# KiCad board BACKUP_PCB.kicad_pcb (continued)
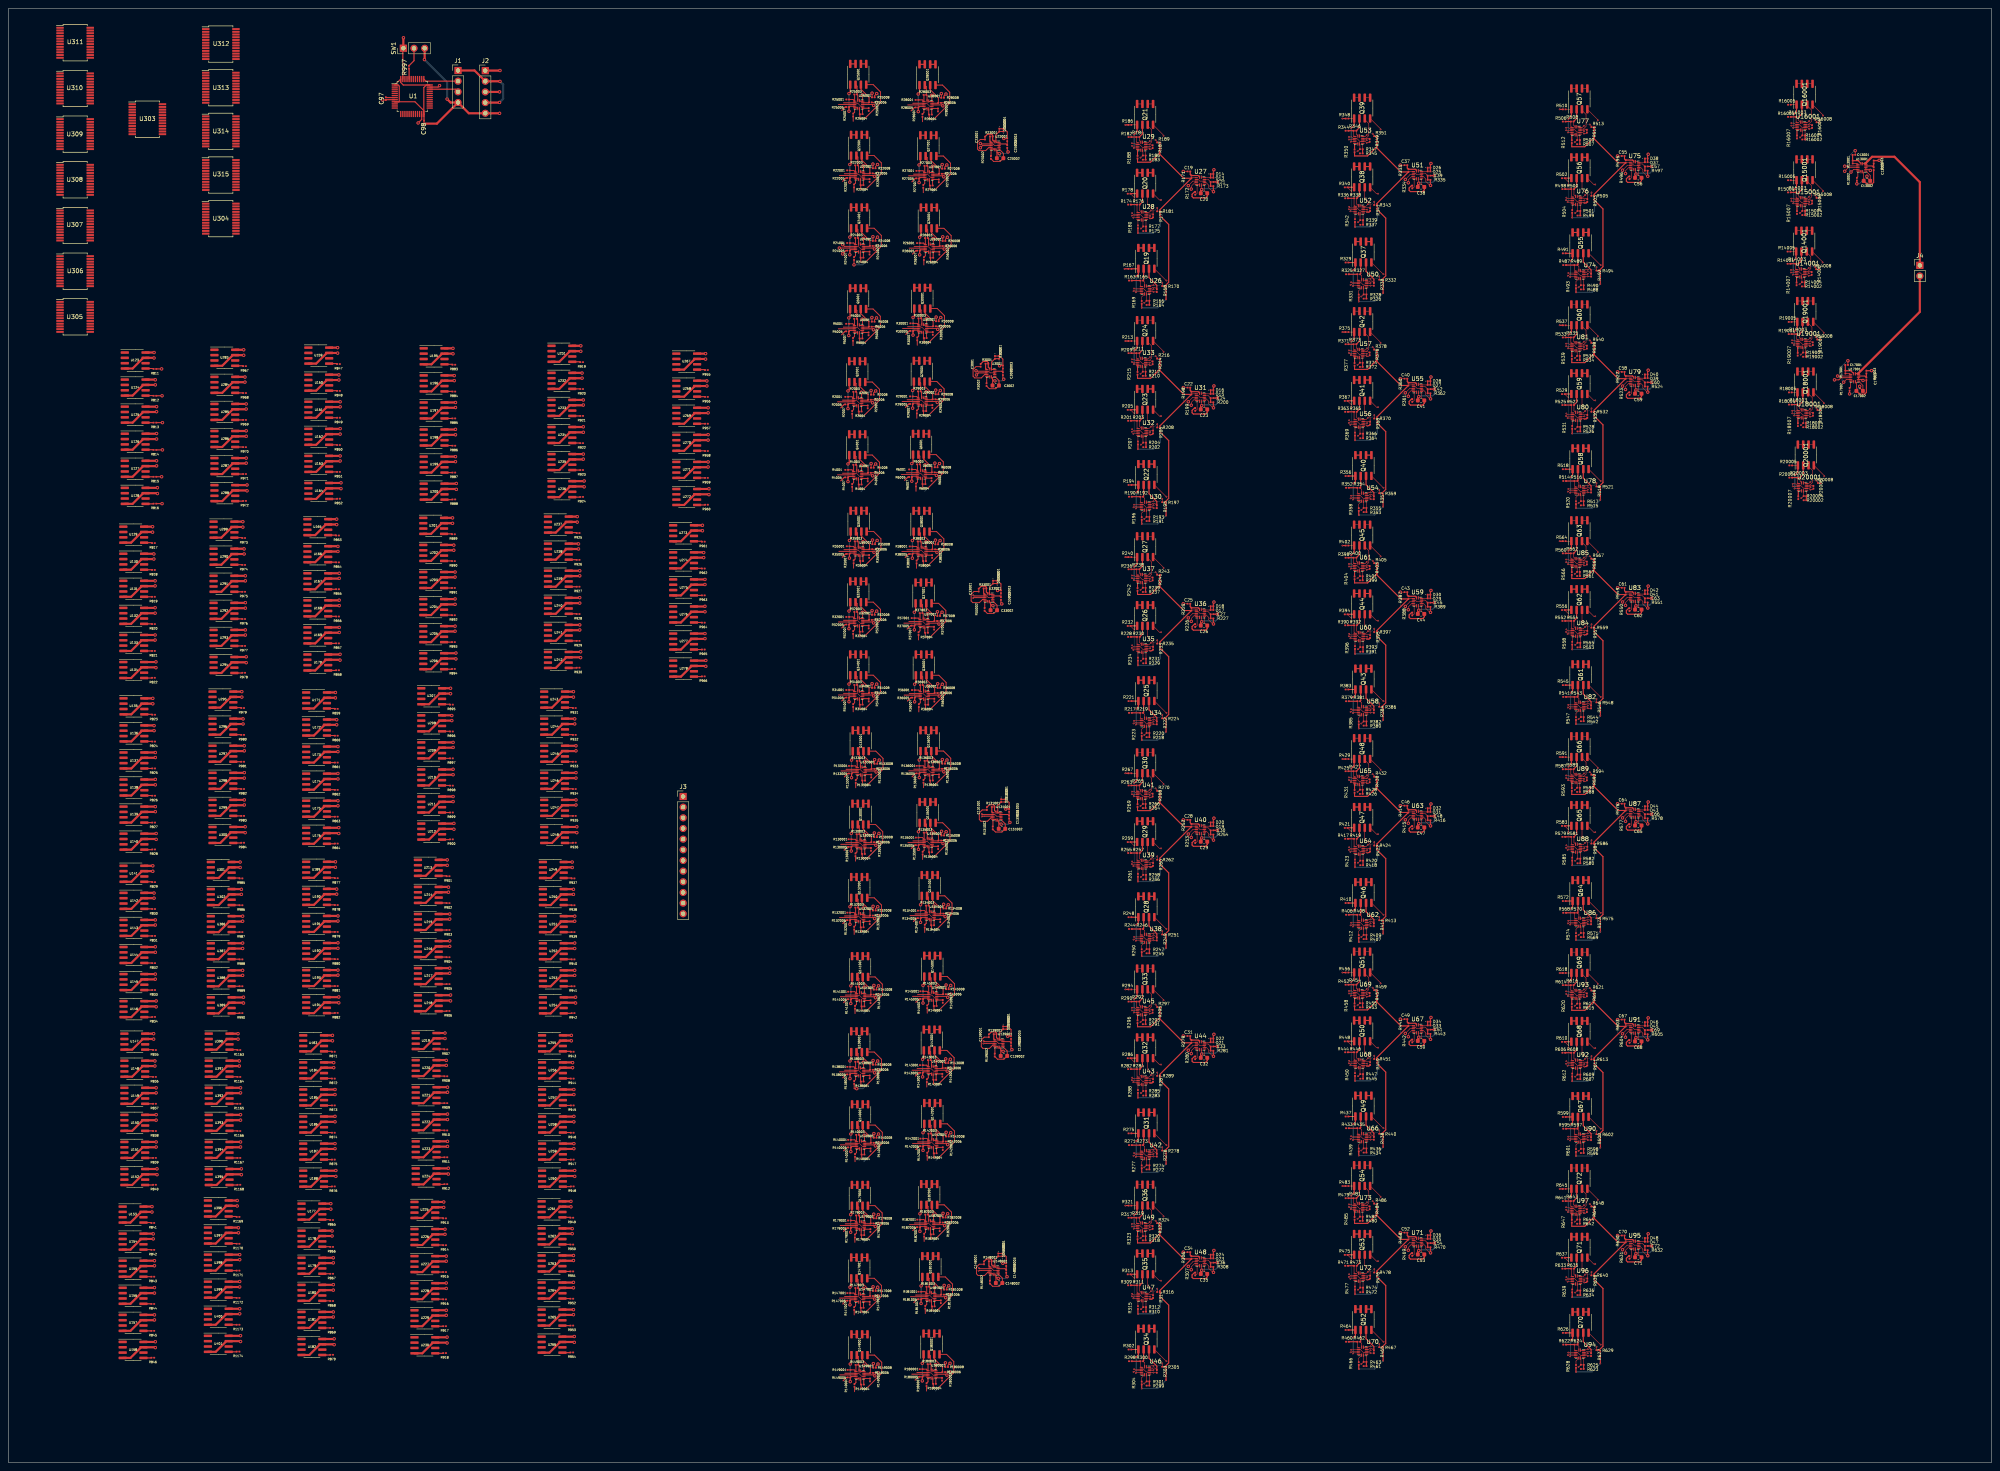
[diagram p0: board, top side]
## Routing (per net, layer and track width the routed paths; a pad name or vN(x,y) marks a point on that pad's centre or on a via; arc(x,y) is an arc through that point) (continued)
Net-(U33A--): length 2.8
  Top w0.1: R211.1 268.74,263.22 U33.1
  Top w0.25: R209.2 R211.1
Net-(U33B--): length 2.3
  Top w0.1: U33.6 269.61,261.35 U33.5
  Top w0.25: R215.1 268.96,261.3 268.98,261.32 269.01,261.32
Net-(U33C--): length 2.4
  Top w0.1: R212.1 270.88,261.32
  Top w0.25: R212.1 R210.2
Net-(U33D--): length 4.2
  Top w0.1: v1(271.86,263.35) 271.46,262.95 U33.12 270.76,263.1 U33.13 ; R216.1 273.64,263.27 v1(273.26,263.65)
  Bottom w0.1: v1(271.86,263.35) 272.16,263.65 v1(273.26,263.65)
Net-(U34A--): length 3.6
  Top w0.1: U34.1 269.64,177.47 R219.1
  Top w0.25: R217.2 R219.1
Net-(U34B--): length 2.8
  Top w0.1: R223.1 269.96,174.75 U34.6 270.51,175.6 U34.5
Net-(U34C--): length 2.7
  Top w0.1: R220.1 271.78,175.57
  Top w0.25: R218.2 R220.1
Net-(U34D--): length 5
  Top w0.1: v1(274.86,178.15) 274.86,177.37 ; v1(272.76,177.55) 272.16,177.55 U34.12 271.21,177.2 U34.13
  Bottom w0.1: v1(272.76,177.55) 274.26,177.55 v1(274.86,178.15)
Net-(U35A--): length 3.5
  Top w0.1: U35.1 268.84,195.12 R230.1
  Top w0.25: R228.2 R230.1
Net-(U35B--): length 2.2
  Top w0.1: U35.5 269.26,193.1 U35.6 ; R234.1 269.06,193.2
Net-(U35C--): length 2.8
  Top w0.1: R231.1 270.98,193.22
  Top w0.25: R229.2 R231.1
Net-(U35D--): length 4.7
  Top w0.1: v1(273.66,195.95) 273.66,195.17 ; U35.13 270.86,195 U35.12 271.66,194.85 v1(272.16,195.35)
  Bottom w0.1: v1(273.66,195.95) 273.06,195.35 v1(272.16,195.35)
Net-(U36B-+): length 8.7
  Top w0.1: v2(281.76,200.45) 281.76,201.14 282.57,201.95 U36.4 ; C25.2 v2(279.86,204.65)
  Bottom w0.1: v2(279.86,204.65) 279.86,201.53 280.94,200.45 v2(281.76,200.45)
Net-(U36B--): length 3.4
  Top w0.1: 282.84,199.13 283.14,199.44 283.14,201.4 U36.5 283.59,201.55 U36.6
Net-(U36C--): length 8.5
  Top w0.1: U36.8 284.89,200.12 C26.1
  Top w0.25: R226.2 282.5,199.77 281.96,199.22 281.96,198.65 282.26,198.35 285.16,198.35 285.57,198.76 C26.1
Net-(U36D-+): length 2.7
  Top w0.1: C27.2 285.77,202.75 U36.11
  Top w0.25: R227.1 C27.2
Net-(U37A--): length 2.8
  Top w0.1: U37.1 268.74,211.72 R238.1
  Top w0.25: R236.2 R238.1
Net-(U37B--): length 2.3
  Top w0.1: U37.5 269.61,209.85 U37.6
  Top w0.25: R242.1 268.96,209.8 268.98,209.82 269.01,209.82
Net-(U37C--): length 2.4
  Top w0.1: R239.1 270.88,209.82
  Top w0.25: R239.1 R237.2
Net-(U37D--): length 4.2
  Top w0.1: v1(271.86,211.85) 271.46,211.45 U37.12 270.76,211.6 U37.13 ; v1(273.26,212.15) 273.64,211.77 R243.1
  Bottom w0.1: v1(271.86,211.85) 272.16,212.15 v1(273.26,212.15)
Net-(U38A--): length 3.6
  Top w0.1: R246.1 269.64,125.97 U38.1
  Top w0.25: R244.2 R246.1
Net-(U38B--): length 2.8
  Top w0.1: R250.1 269.96,123.25 U38.6 270.51,124.1 U38.5
Net-(U38C--): length 2.7
  Top w0.1: R247.1 271.78,124.07
  Top w0.25: R245.2 R247.1
Net-(U38D--): length 5
  Top w0.1: U38.13 271.21,125.7 U38.12 272.16,126.05 v1(272.76,126.05) ; v1(274.86,126.65) 274.86,125.87
  Bottom w0.1: v1(272.76,126.05) 274.26,126.05 v1(274.86,126.65)
Net-(U39A--): length 3.5
  Top w0.1: U39.1 268.84,143.62 R257.1
  Top w0.25: R255.2 R257.1
Net-(U39B--): length 2.2
  Top w0.1: U39.6 269.26,141.6 U39.5 ; R261.1 269.06,141.7
Net-(U39C--): length 2.8
  Top w0.1: R258.1 270.98,141.72
  Top w0.25: R256.2 R258.1
Net-(U39D--): length 4.7
  Top w0.1: U39.13 270.86,143.5 U39.12 271.66,143.35 v1(272.16,143.85) ; v1(273.66,144.45) 273.66,143.67
  Bottom w0.1: v1(272.16,143.85) 273.06,143.85 v1(273.66,144.45)
Net-(U40B-+): length 8.7
  Top w0.1: U40.4 282.57,150.45 281.76,149.64 v2(281.76,148.95) ; C28.2 v2(279.86,153.15)
  Bottom w0.1: v2(281.76,148.95) 280.94,148.95 279.86,150.03 v2(279.86,153.15)
Net-(U40B--): length 3.4
  Top w0.1: U40.6 283.59,150.05 U40.5 283.14,149.9 283.14,147.94 282.84,147.63
Net-(U40C--): length 8.5
  Top w0.1: U40.8 284.89,148.62 C29.1
  Top w0.25: C29.1 285.57,147.26 285.16,146.85 282.26,146.85 281.96,147.15 281.96,147.72 282.5,148.27 R253.2
Net-(U40D-+): length 2.7
  Top w0.1: C30.2 285.77,151.25 U40.11
  Top w0.25: R254.1 C30.2
Net-(U41A--): length 2.8
  Top w0.1: U41.1 268.74,160.22 R265.1
  Top w0.25: R263.2 R265.1
Net-(U41B--): length 2.3
  Top w0.1: U41.5 269.61,158.35 U41.6
  Top w0.25: R269.1 268.96,158.3 268.98,158.32 269.01,158.32
Net-(U41C--): length 2.4
  Top w0.1: R266.1 270.88,158.32
  Top w0.25: R266.1 R264.2
Net-(U41D--): length 4.2
  Top w0.1: R270.1 273.64,160.27 v1(273.26,160.65) ; U41.13 270.76,160.1 U41.12 271.46,159.95 v1(271.86,160.35)
  Bottom w0.1: v1(273.26,160.65) 272.16,160.65 v1(271.86,160.35)
Net-(U42A--): length 3.6
  Top w0.1: R273.1 269.64,74.47 U42.1
  Top w0.25: R271.2 R273.1
Net-(U42B--): length 2.8
  Top w0.1: U42.5 270.51,72.6 U42.6 269.96,71.75 R277.1
Net-(U42C--): length 2.7
  Top w0.1: R274.1 271.78,72.57
  Top w0.25: R272.2 R274.1
Net-(U42D--): length 5
  Top w0.1: v1(274.86,75.15) 274.86,74.37 ; v1(272.76,74.55) 272.16,74.55 U42.12 271.21,74.2 U42.13
  Bottom w0.1: v1(274.86,75.15) 274.26,74.55 v1(272.76,74.55)
Net-(U43A--): length 3.5
  Top w0.1: R284.1 268.84,92.12 U43.1
  Top w0.25: R282.2 R284.1
Net-(U43B--): length 2.2
  Top w0.1: U43.5 269.26,90.1 U43.6 ; R288.1 269.06,90.2
Net-(U43C--): length 2.8
  Top w0.1: R285.1 270.98,90.22
  Top w0.25: R283.2 R285.1
Net-(U43D--): length 4.7
  Top w0.1: U43.13 270.86,92 U43.12 271.66,91.85 v1(272.16,92.35) ; v1(273.66,92.95) 273.66,92.17
  Bottom w0.1: v1(272.16,92.35) 273.06,92.35 v1(273.66,92.95)
Net-(U44B-+): length 8.7
  Top w0.1: v2(281.76,97.45) 281.76,98.14 282.57,98.95 U44.4 ; C31.2 v2(279.86,101.65)
  Bottom w0.1: v2(279.86,101.65) 279.86,98.53 280.94,97.45 v2(281.76,97.45)
Net-(U44B--): length 3.4
  Top w0.1: U44.6 283.59,98.55 U44.5 283.14,98.4 283.14,96.44 282.84,96.13
Net-(U44C--): length 8.5
  Top w0.1: C32.1 284.89,97.12 U44.8
  Top w0.25: R280.2 282.5,96.77 281.96,96.22 281.96,95.65 282.26,95.35 285.16,95.35 285.57,95.76 C32.1
Net-(U44D-+): length 2.7
  Top w0.1: U44.11 285.77,99.75 C33.2
  Top w0.25: R281.1 C33.2
Net-(U45A--): length 2.8
  Top w0.1: R292.1 268.74,108.72 U45.1
  Top w0.25: R290.2 R292.1
Net-(U45B--): length 2.3
  Top w0.1: U45.6 269.61,106.85 U45.5
  Top w0.25: R296.1 268.96,106.8 268.98,106.82 269.01,106.82
Net-(U45C--): length 2.4
  Top w0.1: R293.1 270.88,106.82
  Top w0.25: R293.1 R291.2
Net-(U45D--): length 4.2
  Top w0.1: v1(273.26,109.15) 273.64,108.77 R297.1 ; U45.13 270.76,108.6 U45.12 271.46,108.45 v1(271.86,108.85)
  Bottom w0.1: v1(271.86,108.85) 272.16,109.15 v1(273.26,109.15)
Net-(U46A--): length 3.6
  Top w0.1: R300.1 269.64,22.97 U46.1
  Top w0.25: R298.2 R300.1
Net-(U46B--): length 2.8
  Top w0.1: U46.5 270.51,21.1 U46.6 269.96,20.25 R304.1
Net-(U46C--): length 2.7
  Top w0.1: R301.1 271.78,21.07
  Top w0.25: R299.2 R301.1
Net-(U46D--): length 5
  Top w0.1: v1(274.86,23.65) 274.86,22.87 ; U46.13 271.21,22.7 U46.12 272.16,23.05 v1(272.76,23.05)
  Bottom w0.1: v1(272.76,23.05) 274.26,23.05 v1(274.86,23.65)
Net-(U47A--): length 3.5
  Top w0.1: R311.1 268.84,40.62 U47.1
  Top w0.25: R309.2 R311.1
Net-(U47B--): length 2.2
  Top w0.1: R315.1 269.06,38.7 ; U47.6 269.26,38.6 U47.5
Net-(U47C--): length 2.8
  Top w0.1: R312.1 270.98,38.72
  Top w0.25: R310.2 R312.1
Net-(U47D--): length 4.7
  Top w0.1: U47.13 270.86,40.5 U47.12 271.66,40.35 v1(272.16,40.85) ; v1(273.66,41.45) 273.66,40.67
  Bottom w0.1: v1(273.66,41.45) 273.06,40.85 v1(272.16,40.85)
Net-(U48B-+): length 8.7
  Top w0.1: C34.2 v2(279.86,50.15) ; U48.4 282.57,47.45 281.76,46.64 v2(281.76,45.95)
  Bottom w0.1: v2(281.76,45.95) 280.94,45.95 279.86,47.03 v2(279.86,50.15)
Net-(U48B--): length 3.4
  Top w0.1: 282.84,44.63 283.14,44.94 283.14,46.9 U48.5 283.59,47.05 U48.6
Net-(U48C--): length 8.5
  Top w0.1: C35.1 284.89,45.62 U48.8
  Top w0.25: C35.1 285.57,44.26 285.16,43.85 282.26,43.85 281.96,44.15 281.96,44.72 282.5,45.27 R307.2
Net-(U48D-+): length 2.7
  Top w0.1: C36.2 285.77,48.25 U48.11
  Top w0.25: R308.1 C36.2
Net-(U49A--): length 2.8
  Top w0.1: U49.1 268.74,57.22 R319.1
  Top w0.25: R317.2 R319.1
Net-(U49B--): length 2.3
  Top w0.1: U49.6 269.61,55.35 U49.5
  Top w0.25: R323.1 268.96,55.3 268.98,55.32 269.01,55.32
Net-(U49C--): length 2.4
  Top w0.1: R320.1 270.88,55.32
  Top w0.25: R320.1 R318.2
Net-(U49D--): length 4.2
  Top w0.1: v1(273.26,57.65) 273.64,57.27 R324.1 ; U49.13 270.76,57.1 U49.12 271.46,56.95 v1(271.86,57.35)
  Bottom w0.1: v1(271.86,57.35) 272.16,57.65 v1(273.26,57.65)
Net-(U50A--): length 3.6
  Top w0.1: U50.1 321.34,281.97 R327.1
  Top w0.25: R325.2 R327.1
Net-(U50B--): length 2.8
  Top w0.1: U50.5 322.21,280.1 U50.6 321.66,279.25 R331.1
Net-(U50C--): length 2.7
  Top w0.1: R328.1 323.48,280.07
  Top w0.25: R326.2 R328.1
Net-(U50D--): length 5
  Top w0.1: v1(324.46,282.05) 323.86,282.05 U50.12 322.91,281.7 U50.13 ; v1(326.56,282.65) 326.56,281.87
  Bottom w0.1: v1(326.56,282.65) 325.96,282.05 v1(324.46,282.05)
Net-(U51B-+): length 8.7
  Top w0.1: U51.4 334.27,306.45 333.46,305.64 v2(333.46,304.95) ; C37.2 v2(331.56,309.15)
  Bottom w0.1: v2(331.56,309.15) 331.56,306.03 332.64,304.95 v2(333.46,304.95)
Net-(U51B--): length 3.4
  Top w0.1: U51.6 335.29,306.05 U51.5 334.84,305.9 334.84,303.94 334.54,303.63
Net-(U51C--): length 8.5
  Top w0.1: U51.8 336.59,304.62 C38.1
  Top w0.25: R334.2 334.2,304.27 333.66,303.72 333.66,303.15 333.96,302.85 336.86,302.85 337.27,303.26 C38.1
Net-(U51D-+): length 2.7
  Top w0.1: U51.11 337.47,307.25 C39.2
  Top w0.25: R335.1 C39.2
Net-(U52A--): length 3.5
  Top w0.1: R338.1 320.54,299.62 U52.1
  Top w0.25: R336.2 R338.1
Net-(U52B--): length 2.2
  Top w0.1: U52.6 320.96,297.6 U52.5 ; R342.1 320.76,297.7
Net-(U52C--): length 2.8
  Top w0.1: R339.1 322.68,297.72
  Top w0.25: R337.2 R339.1
Net-(U52D--): length 4.7
  Top w0.1: v1(325.36,300.45) 325.36,299.67 ; U52.13 322.56,299.5 U52.12 323.36,299.35 v1(323.86,299.85)
  Bottom w0.1: v1(325.36,300.45) 324.76,299.85 v1(323.86,299.85)
Net-(U53A--): length 2.8
  Top w0.1: U53.1 320.44,316.22 R346.1
  Top w0.25: R344.2 R346.1
Net-(U53B--): length 2.3
  Top w0.1: U53.6 321.31,314.35 U53.5
  Top w0.25: R350.1 320.66,314.3 320.68,314.32 320.71,314.32
Net-(U53C--): length 2.4
  Top w0.1: R347.1 322.58,314.32
  Top w0.25: R347.1 R345.2
Net-(U53D--): length 4.2
  Top w0.1: R351.1 325.34,316.27 v1(324.96,316.65) ; v1(323.56,316.35) 323.16,315.95 U53.12 322.46,316.1 U53.13
  Bottom w0.1: v1(323.56,316.35) 323.86,316.65 v1(324.96,316.65)
Net-(U54A--): length 3.6
  Top w0.1: R354.1 321.34,231.1 U54.1
  Top w0.25: R352.2 R354.1
Net-(U54B--): length 2.8
  Top w0.1: R358.1 321.66,228.38 U54.6 322.21,229.23 U54.5
Net-(U54C--): length 2.7
  Top w0.1: R355.1 323.48,229.2
  Top w0.25: R353.2 R355.1
Net-(U54D--): length 5
  Top w0.1: v1(326.56,231.78) 326.56,231 ; U54.13 322.91,230.83 U54.12 323.86,231.18 v1(324.46,231.18)
  Bottom w0.1: v1(326.56,231.78) 325.96,231.18 v1(324.46,231.18)
Net-(U55B-+): length 8.7
  Top w0.1: C40.2 v2(331.56,258.28) ; v2(333.46,254.08) 333.46,254.77 334.27,255.58 U55.4
  Bottom w0.1: v2(331.56,258.28) 331.56,255.16 332.64,254.08 v2(333.46,254.08)
Net-(U55B--): length 3.4
  Top w0.1: U55.6 335.29,255.18 U55.5 334.84,255.03 334.84,253.07 334.54,252.76
Net-(U55C--): length 8.5
  Top w0.1: U55.8 336.59,253.75 C41.1
  Top w0.25: C41.1 337.27,252.39 336.86,251.98 333.96,251.98 333.66,252.28 333.66,252.85 334.2,253.4 R361.2
Net-(U55D-+): length 2.7
  Top w0.1: C42.2 337.47,256.38 U55.11
  Top w0.25: R362.1 C42.2
Net-(U56A--): length 3.5
  Top w0.1: R365.1 320.54,248.75 U56.1
  Top w0.25: R363.2 R365.1
Net-(U56B--): length 2.2
  Top w0.1: R369.1 320.76,246.83 ; U56.5 320.96,246.73 U56.6
Net-(U56C--): length 2.8
  Top w0.1: R366.1 322.68,246.85
  Top w0.25: R364.2 R366.1
Net-(U56D--): length 4.7
  Top w0.1: v1(325.36,249.58) 325.36,248.8 ; v1(323.86,248.98) 323.36,248.48 U56.12 322.56,248.63 U56.13
  Bottom w0.1: v1(323.86,248.98) 324.76,248.98 v1(325.36,249.58)
Net-(U57A--): length 2.8
  Top w0.1: R373.1 320.44,265.35 U57.1
  Top w0.25: R371.2 R373.1
Net-(U57B--): length 2.3
  Top w0.1: U57.6 321.31,263.48 U57.5
  Top w0.25: R377.1 320.66,263.43 320.68,263.45 320.71,263.45
Net-(U57C--): length 2.4
  Top w0.1: R374.1 322.58,263.45
  Top w0.25: R374.1 R372.2
Net-(U57D--): length 4.2
  Top w0.1: U57.13 322.46,265.23 U57.12 323.16,265.08 v1(323.56,265.48) ; v1(324.96,265.78) 325.34,265.4 R378.1
  Bottom w0.1: v1(323.56,265.48) 323.86,265.78 v1(324.96,265.78)
Net-(U58A--): length 3.6
  Top w0.1: R381.1 321.34,180.23 U58.1
  Top w0.25: R379.2 R381.1
Net-(U58B--): length 2.8
  Top w0.1: U58.5 322.21,178.36 U58.6 321.66,177.51 R385.1
Net-(U58C--): length 2.7
  Top w0.1: R382.1 323.48,178.33
  Top w0.25: R380.2 R382.1
Net-(U58D--): length 5
  Top w0.1: U58.13 322.91,179.96 U58.12 323.86,180.31 v1(324.46,180.31) ; v1(326.56,180.91) 326.56,180.13
  Bottom w0.1: v1(324.46,180.31) 325.96,180.31 v1(326.56,180.91)
Net-(U59B-+): length 8.7
  Top w0.1: v2(333.46,203.21) 333.46,203.9 334.27,204.71 U59.4 ; C43.2 v2(331.56,207.41)
  Bottom w0.1: v2(331.56,207.41) 331.56,204.29 332.64,203.21 v2(333.46,203.21)
Net-(U59B--): length 3.4
  Top w0.1: U59.6 335.29,204.31 U59.5 334.84,204.16 334.84,202.2 334.54,201.89
Net-(U59C--): length 8.5
  Top w0.1: C44.1 336.59,202.88 U59.8
  Top w0.25: R388.2 334.2,202.53 333.66,201.98 333.66,201.41 333.96,201.11 336.86,201.11 337.27,201.52 C44.1
Net-(U59D-+): length 2.7
  Top w0.1: C45.2 337.47,205.51 U59.11
  Top w0.25: R389.1 C45.2
Net-(U60A--): length 3.5
  Top w0.1: U60.1 320.54,197.88 R392.1
  Top w0.25: R390.2 R392.1
Net-(U60B--): length 2.2
  Top w0.1: U60.5 320.96,195.86 U60.6 ; R396.1 320.76,195.96
Net-(U60C--): length 2.8
  Top w0.1: R393.1 322.68,195.98
  Top w0.25: R391.2 R393.1
Net-(U60D--): length 4.7
  Top w0.1: U60.13 322.56,197.76 U60.12 323.36,197.61 v1(323.86,198.11) ; v1(325.36,198.71) 325.36,197.93
  Bottom w0.1: v1(323.86,198.11) 324.76,198.11 v1(325.36,198.71)
Net-(U61A--): length 2.8
  Top w0.1: U61.1 320.44,214.48 R400.1
  Top w0.25: R398.2 R400.1
Net-(U61B--): length 2.3
  Top w0.1: U61.6 321.31,212.61 U61.5
  Top w0.25: 320.71,212.58 320.68,212.58 320.66,212.56 R404.1
Net-(U61C--): length 2.4
  Top w0.1: R401.1 322.58,212.58
  Top w0.25: R401.1 R399.2
Net-(U61D--): length 4.2
  Top w0.1: v1(324.96,214.91) 325.34,214.53 R405.1 ; U61.13 322.46,214.36 U61.12 323.16,214.21 v1(323.56,214.61)
  Bottom w0.1: v1(324.96,214.91) 323.86,214.91 v1(323.56,214.61)
Net-(U62A--): length 3.6
  Top w0.1: U62.1 321.34,129.36 R408.1
  Top w0.25: R406.2 R408.1
Net-(U62B--): length 2.8
  Top w0.1: R412.1 321.66,126.64 U62.6 322.21,127.49 U62.5
Net-(U62C--): length 2.7
  Top w0.1: R409.1 323.48,127.46
  Top w0.25: R407.2 R409.1
Net-(U62D--): length 5
  Top w0.1: v1(326.56,130.04) 326.56,129.26 ; v1(324.46,129.44) 323.86,129.44 U62.12 322.91,129.09 U62.13
  Bottom w0.1: v1(326.56,130.04) 325.96,129.44 v1(324.46,129.44)
Net-(U63B-+): length 8.7
  Top w0.1: U63.4 334.27,153.84 333.46,153.03 v2(333.46,152.34) ; C46.2 v2(331.56,156.54)
  Bottom w0.1: v2(333.46,152.34) 332.64,152.34 331.56,153.42 v2(331.56,156.54)
Net-(U63B--): length 3.4
  Top w0.1: U63.6 335.29,153.44 U63.5 334.84,153.29 334.84,151.33 334.54,151.02
Net-(U63C--): length 8.5
  Top w0.1: C47.1 336.59,152.01 U63.8
  Top w0.25: C47.1 337.27,150.65 336.86,150.24 333.96,150.24 333.66,150.54 333.66,151.11 334.2,151.66 R415.2
Net-(U63D-+): length 2.7
  Top w0.1: U63.11 337.47,154.64 C48.2
  Top w0.25: R416.1 C48.2
Net-(U64A--): length 3.5
  Top w0.1: U64.1 320.54,147.01 R419.1
  Top w0.25: R417.2 R419.1
Net-(U64B--): length 2.2
  Top w0.1: R423.1 320.76,145.09 ; U64.5 320.96,144.99 U64.6
Net-(U64C--): length 2.8
  Top w0.1: R420.1 322.68,145.11
  Top w0.25: R418.2 R420.1
Net-(U64D--): length 4.7
  Top w0.1: v1(323.86,147.24) 323.36,146.74 U64.12 322.56,146.89 U64.13 ; v1(325.36,147.84) 325.36,147.06
  Bottom w0.1: v1(325.36,147.84) 324.76,147.24 v1(323.86,147.24)
Net-(U65A--): length 2.8
  Top w0.1: U65.1 320.44,163.61 R427.1
  Top w0.25: R425.2 R427.1
Net-(U65B--): length 2.3
  Top w0.1: U65.5 321.31,161.74 U65.6
  Top w0.25: 320.71,161.71 320.68,161.71 320.66,161.69 R431.1
Net-(U65C--): length 2.4
  Top w0.1: R428.1 322.58,161.71
  Top w0.25: R428.1 R426.2
Net-(U65D--): length 4.2
  Top w0.1: v1(323.56,163.74) 323.16,163.34 U65.12 322.46,163.49 U65.13 ; R432.1 325.34,163.66 v1(324.96,164.04)
  Bottom w0.1: v1(323.56,163.74) 323.86,164.04 v1(324.96,164.04)
Net-(U66A--): length 3.6
  Top w0.1: U66.1 321.34,78.49 R435.1
  Top w0.25: R433.2 R435.1
Net-(U66B--): length 2.8
  Top w0.1: R439.1 321.66,75.77 U66.6 322.21,76.62 U66.5
Net-(U66C--): length 2.7
  Top w0.1: R436.1 323.48,76.59
  Top w0.25: R434.2 R436.1
Net-(U66D--): length 5
  Top w0.1: U66.13 322.91,78.22 U66.12 323.86,78.57 v1(324.46,78.57) ; v1(326.56,79.17) 326.56,78.39
  Bottom w0.1: v1(324.46,78.57) 325.96,78.57 v1(326.56,79.17)
Net-(U67B-+): length 8.7
  Top w0.1: U67.4 334.27,102.97 333.46,102.16 v2(333.46,101.47) ; C49.2 v2(331.56,105.67)
  Bottom w0.1: v2(333.46,101.47) 332.64,101.47 331.56,102.55 v2(331.56,105.67)
Net-(U67B--): length 3.4
  Top w0.1: U67.6 335.29,102.57 U67.5 334.84,102.42 334.84,100.46 334.54,100.15
Net-(U67C--): length 8.5
  Top w0.1: C50.1 336.59,101.14 U67.8
  Top w0.25: C50.1 337.27,99.78 336.86,99.37 333.96,99.37 333.66,99.67 333.66,100.24 334.2,100.79 R442.2
Net-(U67D-+): length 2.7
  Top w0.1: C51.2 337.47,103.77 U67.11
  Top w0.25: R443.1 C51.2
Net-(U68A--): length 3.5
  Top w0.1: U68.1 320.54,96.14 R446.1
  Top w0.25: R444.2 R446.1
Net-(U68B--): length 2.2
  Top w0.1: U68.5 320.96,94.12 U68.6 ; R450.1 320.76,94.22
Net-(U68C--): length 2.8
  Top w0.1: R447.1 322.68,94.24
  Top w0.25: R445.2 R447.1
Net-(U68D--): length 4.7
  Top w0.1: v1(325.36,96.97) 325.36,96.19 ; v1(323.86,96.37) 323.36,95.87 U68.12 322.56,96.02 U68.13
  Bottom w0.1: v1(325.36,96.97) 324.76,96.37 v1(323.86,96.37)
Net-(U69A--): length 2.8
  Top w0.1: R454.1 320.44,112.74 U69.1
  Top w0.25: R452.2 R454.1
Net-(U69B--): length 2.3
  Top w0.1: U69.6 321.31,110.87 U69.5
  Top w0.25: 320.71,110.84 320.68,110.84 320.66,110.82 R458.1
Net-(U69C--): length 2.4
  Top w0.1: R455.1 322.58,110.84
  Top w0.25: R455.1 R453.2
Net-(U69D--): length 4.2
  Top w0.1: v1(323.56,112.87) 323.16,112.47 U69.12 322.46,112.62 U69.13 ; v1(324.96,113.17) 325.34,112.79 R459.1
  Bottom w0.1: v1(323.56,112.87) 323.86,113.17 v1(324.96,113.17)
Net-(U70A--): length 3.6
  Top w0.1: R462.1 321.34,27.62 U70.1
  Top w0.25: R460.2 R462.1
Net-(U70B--): length 2.8
  Top w0.1: R466.1 321.66,24.9 U70.6 322.21,25.75 U70.5
Net-(U70C--): length 2.7
  Top w0.1: R463.1 323.48,25.72
  Top w0.25: R461.2 R463.1
Net-(U70D--): length 5
  Top w0.1: v1(326.56,28.3) 326.56,27.52 ; U70.13 322.91,27.35 U70.12 323.86,27.7 v1(324.46,27.7)
  Bottom w0.1: v1(324.46,27.7) 325.96,27.7 v1(326.56,28.3)
Net-(U71B-+): length 8.7
  Top w0.1: C52.2 v2(331.56,54.8) ; U71.4 334.27,52.1 333.46,51.29 v2(333.46,50.6)
  Bottom w0.1: v2(333.46,50.6) 332.64,50.6 331.56,51.68 v2(331.56,54.8)
Net-(U71B--): length 3.4
  Top w0.1: U71.6 335.29,51.7 U71.5 334.84,51.55 334.84,49.59 334.54,49.28
Net-(U71C--): length 8.5
  Top w0.1: C53.1 336.59,50.27 U71.8
  Top w0.25: C53.1 337.27,48.91 336.86,48.5 333.96,48.5 333.66,48.8 333.66,49.37 334.2,49.92 R469.2
Net-(U71D-+): length 2.7
  Top w0.1: C54.2 337.47,52.9 U71.11
  Top w0.25: R470.1 C54.2
Net-(U72A--): length 3.5
  Top w0.1: R473.1 320.54,45.27 U72.1
  Top w0.25: R471.2 R473.1
Net-(U72B--): length 2.2
  Top w0.1: U72.5 320.96,43.25 U72.6 ; R477.1 320.76,43.35
Net-(U72C--): length 2.8
  Top w0.1: R474.1 322.68,43.37
  Top w0.25: R472.2 R474.1
Net-(U72D--): length 4.7
  Top w0.1: v1(325.36,46.1) 325.36,45.32 ; v1(323.86,45.5) 323.36,45 U72.12 322.56,45.15 U72.13
  Bottom w0.1: v1(323.86,45.5) 324.76,45.5 v1(325.36,46.1)
Net-(U73A--): length 2.8
  Top w0.1: U73.1 320.44,61.87 R481.1
  Top w0.25: R479.2 R481.1
Net-(U73B--): length 2.3
  Top w0.1: U73.5 321.31,60 U73.6
  Top w0.25: R485.1 320.66,59.95 320.68,59.97 320.71,59.97
Net-(U73C--): length 2.4
  Top w0.1: R482.1 322.58,59.97
  Top w0.25: R482.1 R480.2
Net-(U73D--): length 4.2
  Top w0.1: v1(323.56,62) 323.16,61.6 U73.12 322.46,61.75 U73.13 ; v1(324.96,62.3) 325.34,61.92 R486.1
  Bottom w0.1: v1(323.56,62) 323.86,62.3 v1(324.96,62.3)
Net-(U74A--): length 3.6
  Top w0.1: R489.1 373.08,284.16 U74.1
  Top w0.25: R487.2 R489.1
Net-(U74B--): length 2.8
  Top w0.1: U74.5 373.95,282.29 U74.6 373.4,281.44 R493.1
Net-(U74C--): length 2.7
  Top w0.1: R490.1 375.22,282.26
  Top w0.25: R488.2 R490.1
Net-(U74D--): length 5
  Top w0.1: v1(376.2,284.24) 375.6,284.24 U74.12 374.65,283.89 U74.13 ; v1(378.3,284.84) 378.3,284.06
  Bottom w0.1: v1(376.2,284.24) 377.7,284.24 v1(378.3,284.84)
Net-(U75B-+): length 8.7
  Top w0.1: C55.2 v2(383.3,311.34) ; v2(385.2,307.14) 385.2,307.82 386.01,308.64 U75.4
  Bottom w0.1: v2(383.3,311.34) 383.3,308.22 384.38,307.14 v2(385.2,307.14)
Net-(U75B--): length 3.4
  Top w0.1: U75.6 387.04,308.24 U75.5 386.59,308.09 386.59,306.13 386.28,305.82
Net-(U75C--): length 8.5
  Top w0.1: U75.8 388.34,306.81 C56.1
  Top w0.25: C56.1 389.01,305.45 388.6,305.04 385.7,305.04 385.4,305.34 385.4,305.91 385.95,306.46 R496.2
Net-(U75D-+): length 2.7
  Top w0.1: U75.11 389.22,309.44 C57.2
  Top w0.25: R497.1 C57.2
Net-(U76A--): length 3.5
  Top w0.1: U76.1 372.28,301.81 R500.1
  Top w0.25: R498.2 R500.1
Net-(U76B--): length 2.2
  Top w0.1: U76.5 372.7,299.79 U76.6 ; R504.1 372.5,299.89
Net-(U76C--): length 2.8
  Top w0.1: R501.1 374.42,299.91
  Top w0.25: R499.2 R501.1
Net-(U76D--): length 4.7
  Top w0.1: v1(375.6,302.04) 375.1,301.54 U76.12 374.3,301.69 U76.13 ; v1(377.1,302.64) 377.1,301.86
  Bottom w0.1: v1(377.1,302.64) 376.5,302.04 v1(375.6,302.04)
Net-(U77A--): length 2.8
  Top w0.1: R508.1 372.18,318.41 U77.1
  Top w0.25: R506.2 R508.1
Net-(U77B--): length 2.3
  Top w0.1: U77.6 373.05,316.54 U77.5
  Top w0.25: 372.45,316.51 372.42,316.51 372.4,316.49 R512.1
Net-(U77C--): length 2.4
  Top w0.1: R509.1 374.32,316.51
  Top w0.25: R509.1 R507.2
Net-(U77D--): length 4.2
  Top w0.1: v1(376.7,318.84) 377.08,318.46 R513.1 ; v1(375.3,318.54) 374.9,318.14 U77.12 374.2,318.29 U77.13
  Bottom w0.1: v1(376.7,318.84) 375.6,318.84 v1(375.3,318.54)
Net-(U78A--): length 3.6
  Top w0.1: U78.1 373.08,232.71 R516.1
  Top w0.25: R514.2 R516.1
Net-(U78B--): length 2.8
  Top w0.1: R520.1 373.4,229.99 U78.6 373.95,230.84 U78.5
Net-(U78C--): length 2.7
  Top w0.1: R517.1 375.22,230.81
  Top w0.25: R515.2 R517.1
Net-(U78D--): length 5
  Top w0.1: v1(378.3,233.39) 378.3,232.61 ; U78.13 374.65,232.44 U78.12 375.6,232.79 v1(376.2,232.79)
  Bottom w0.1: v1(376.2,232.79) 377.7,232.79 v1(378.3,233.39)
Net-(U79B-+): length 8.7
  Top w0.1: v2(385.2,255.69) 385.2,256.38 386.01,257.19 U79.4 ; C58.2 v2(383.3,259.89)
  Bottom w0.1: v2(385.2,255.69) 384.38,255.69 383.3,256.77 v2(383.3,259.89)
Net-(U79B--): length 3.4
  Top w0.1: 386.28,254.37 386.59,254.68 386.59,256.64 U79.5 387.04,256.79 U79.6
Net-(U79C--): length 8.5
  Top w0.1: U79.8 388.34,255.37 C59.1
  Top w0.25: C59.1 389.01,254.01 388.6,253.59 385.7,253.59 385.4,253.89 385.4,254.47 385.95,255.01 R523.2
Net-(U79D-+): length 2.7
  Top w0.1: C60.2 389.22,257.99 U79.11
  Top w0.25: R524.1 C60.2
Net-(U80A--): length 3.5
  Top w0.1: R527.1 372.28,250.36 U80.1
  Top w0.25: R525.2 R527.1
Net-(U80B--): length 2.2
  Top w0.1: U80.6 372.7,248.34 U80.5 ; R531.1 372.5,248.44
Net-(U80C--): length 2.8
  Top w0.1: R528.1 374.42,248.46
  Top w0.25: R526.2 R528.1
Net-(U80D--): length 4.7
  Top w0.1: U80.13 374.3,250.24 U80.12 375.1,250.09 v1(375.6,250.59) ; v1(377.1,251.19) 377.1,250.41
  Bottom w0.1: v1(377.1,251.19) 376.5,250.59 v1(375.6,250.59)
Net-(U81A--): length 2.8
  Top w0.1: U81.1 372.18,266.96 R535.1
  Top w0.25: R533.2 R535.1
Net-(U81B--): length 2.3
  Top w0.1: U81.5 373.05,265.09 U81.6
  Top w0.25: 372.45,265.07 372.42,265.07 372.4,265.04 R539.1
Net-(U81C--): length 2.4
  Top w0.1: R536.1 374.32,265.06
  Top w0.25: R536.1 R534.2
Net-(U81D--): length 4.2
  Top w0.1: R540.1 377.08,267.01 v1(376.7,267.39) ; v1(375.3,267.09) 374.9,266.69 U81.12 374.2,266.84 U81.13
  Bottom w0.1: v1(375.3,267.09) 375.6,267.39 v1(376.7,267.39)
Net-(U82A--): length 3.6
  Top w0.1: U82.1 373.08,181.27 R543.1
  Top w0.25: R541.2 R543.1
Net-(U82B--): length 2.8
  Top w0.1: U82.5 373.95,179.4 U82.6 373.4,178.55 R547.1
Net-(U82C--): length 2.7
  Top w0.1: R544.1 375.22,179.37
  Top w0.25: R542.2 R544.1
Net-(U82D--): length 5
  Top w0.1: U82.13 374.65,181 U82.12 375.6,181.35 v1(376.2,181.35) ; v1(378.3,181.95) 378.3,181.17
  Bottom w0.1: v1(378.3,181.95) 377.7,181.35 v1(376.2,181.35)
Net-(U83B-+): length 8.7
  Top w0.1: U83.4 386.01,205.75 385.2,204.94 v2(385.2,204.25) ; C61.2 v2(383.3,208.45)
  Bottom w0.1: v2(385.2,204.25) 384.38,204.25 383.3,205.33 v2(383.3,208.45)
Net-(U83B--): length 3.4
  Top w0.1: U83.6 387.04,205.35 U83.5 386.59,205.2 386.59,203.24 386.28,202.93
Net-(U83C--): length 8.5
  Top w0.1: C62.1 388.34,203.92 U83.8
  Top w0.25: C62.1 389.01,202.56 388.6,202.15 385.7,202.15 385.4,202.45 385.4,203.02 385.95,203.57 R550.2
Net-(U83D-+): length 2.7